# Altium PCB 0.PCB1.PcbDoc (part 4 of 12)
Units mm, origin at the board's own origin, x right, y up, seen from the top; angles counter-clockwise.
Board outline 77 x 72 mm, 6 copper layers (Top Layer, Layer 1, Layer 3, Layer 4, Layer 2, Bottom Layer), stack 1.538 mm thick; 570 components, 490 nets, 3331 pads, 1909 vias.
Unrouted connection lines stored in the file: 2.
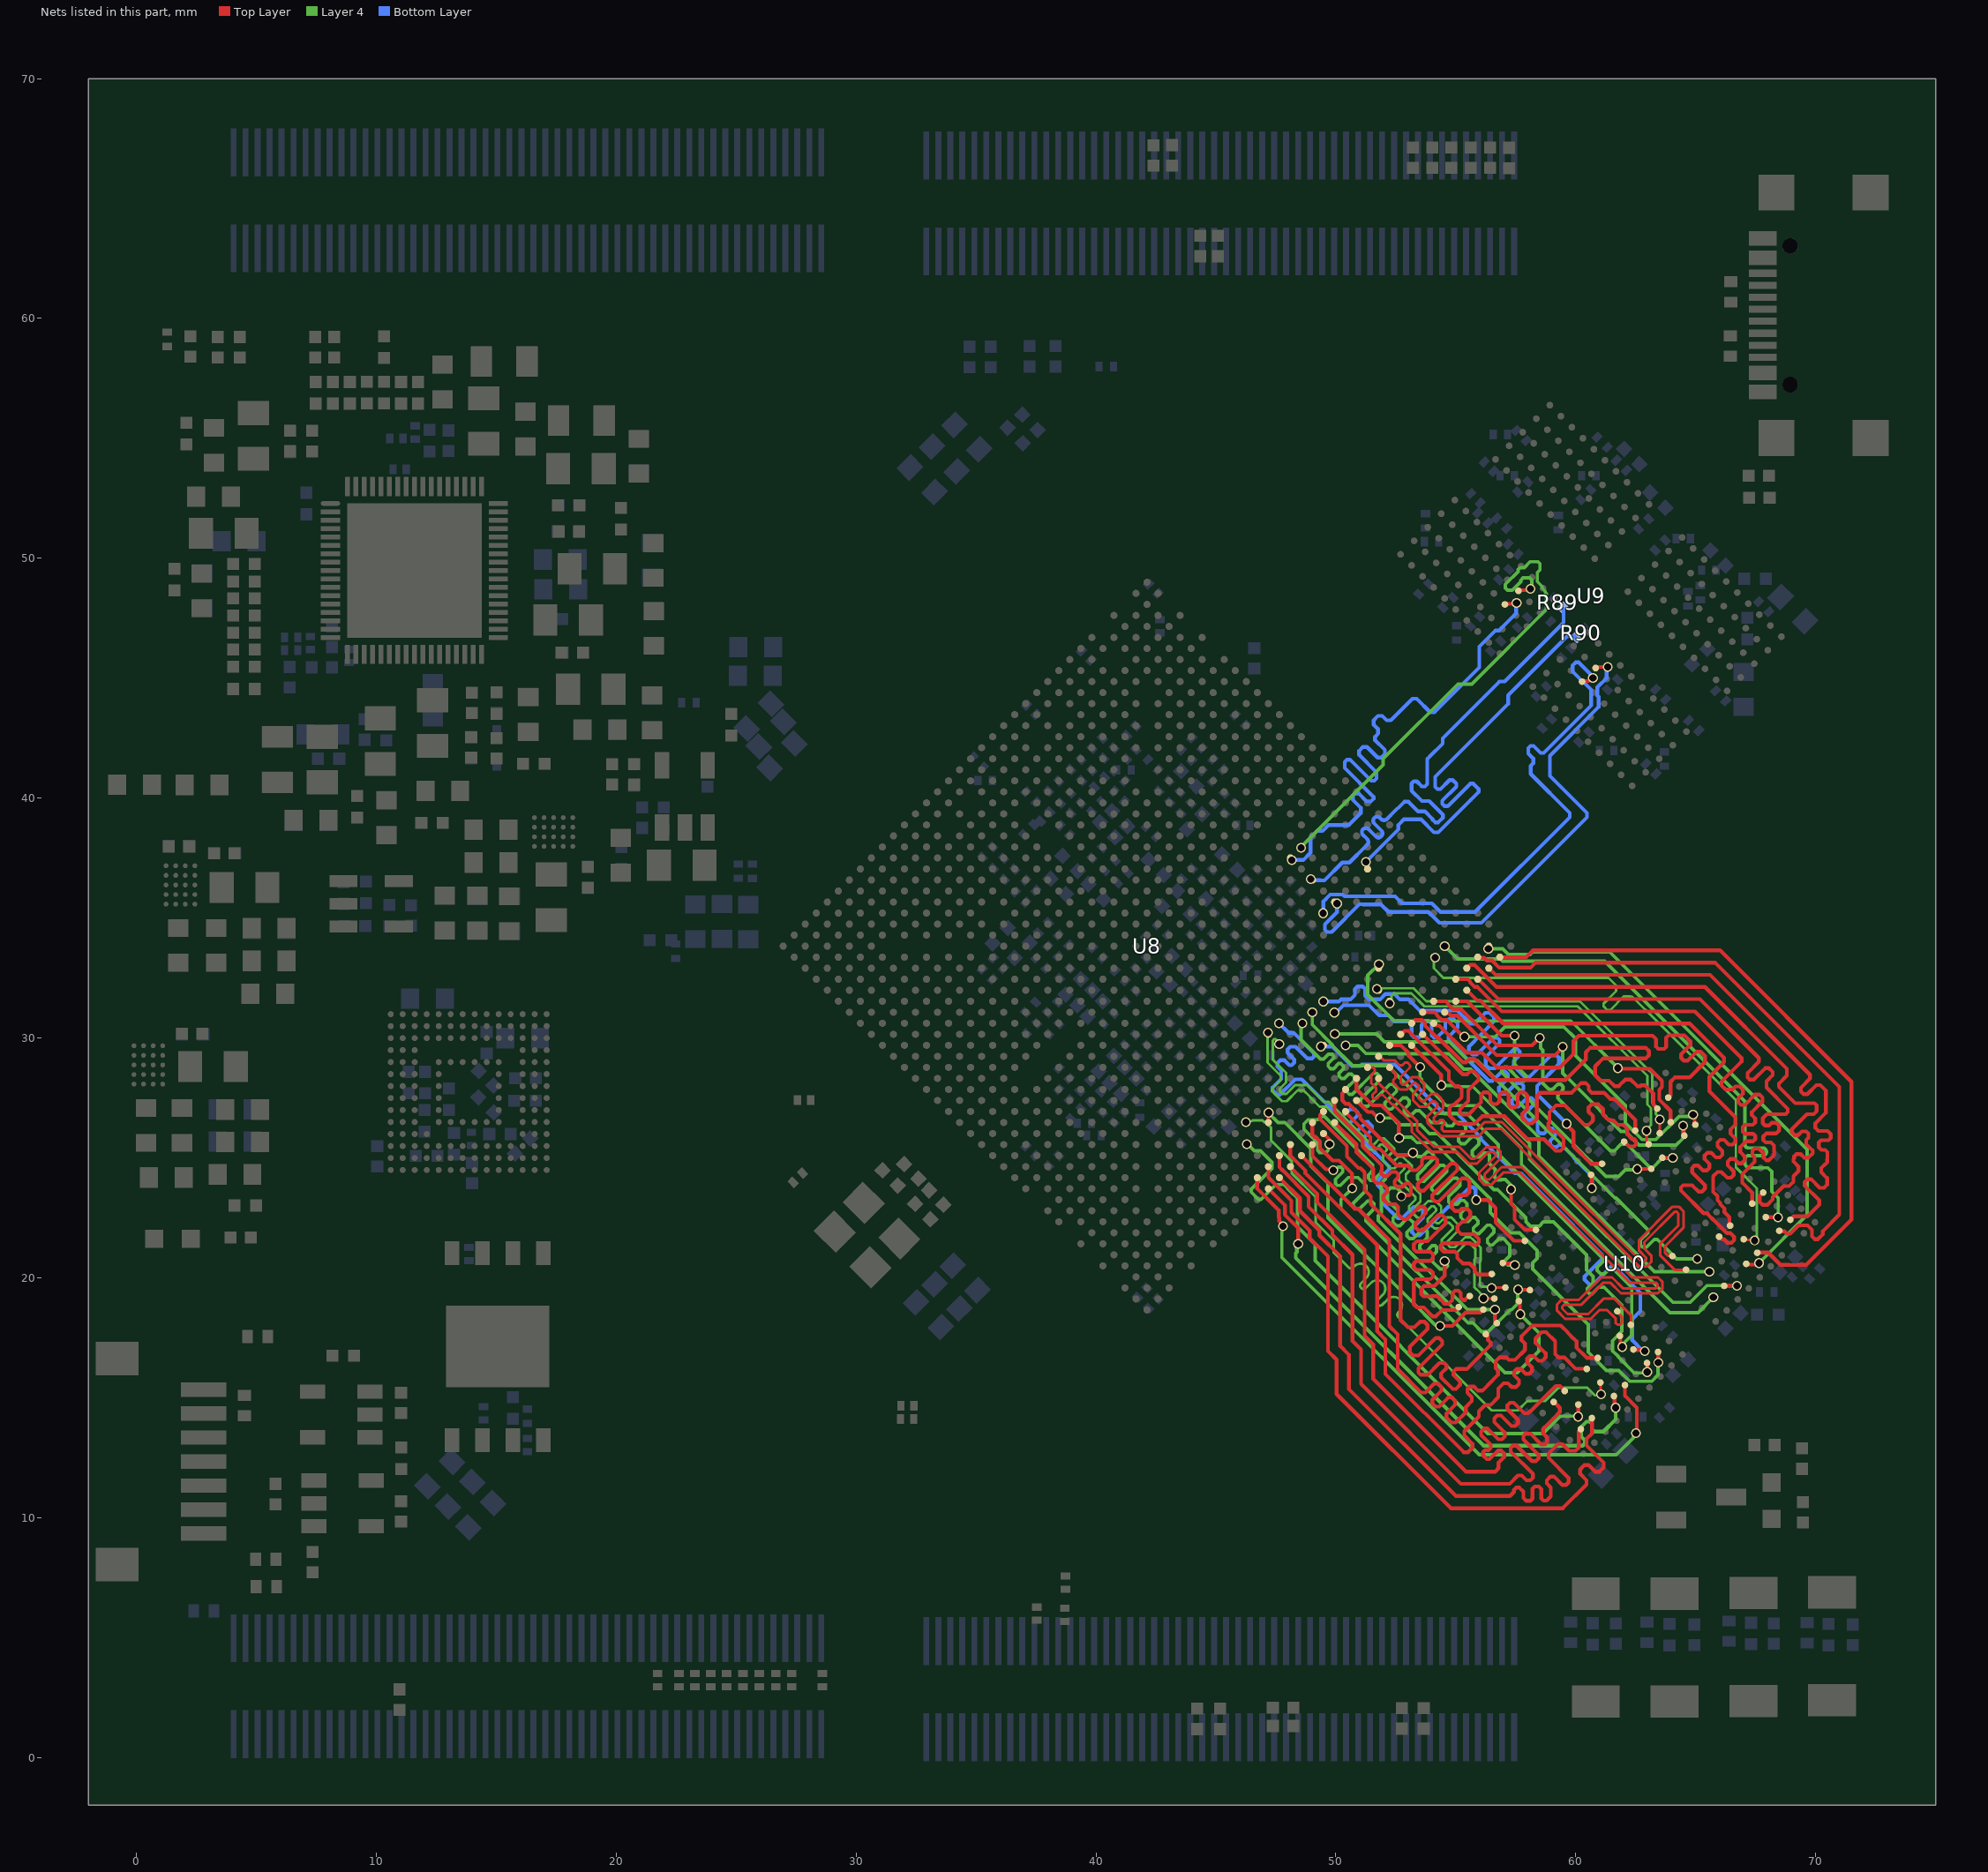
[diagram p8: the nets of this part, all layers, seen from the top]

## Via types
v1: diameter 0.41, hole 0.3, Top Layer to Bottom Layer, tented both sides, 1901 vias
v2: diameter 0.41, hole 0.3, Top Layer to Bottom Layer, 8 vias

## Nets (pads, with @x,y where several pads share a name; then routed paths per layer and width w, separated by ;. In a path a pad name is that pad's centre, name@x,y a point inside that pad or via, vN(x,y) a via of type N, cw(c..) or ccw(c..) an arc to the next point about the centre after c; other vN are vias at no path point) (continued)
DDR_CH0_LP4/4X_CKE1_A: R89.1 U8.N7 | length 22.1
  Bottom Layer w0.156: v1(48.963,36.627) 49.019,36.571 49.341,36.571 49.344,36.568 49.528,36.568 50.27,37.31 50.566,37.31 51.253,37.997 51.308,38.053 ccw(c51.19,38.171) 51.308,38.289 51.135,38.462 cw(c51.253,38.58) 51.135,38.698 cw(c51.253,38.58) 51.371,38.698 51.662,38.408 ccw(c51.781,38.526) 51.899,38.408 ccw(c51.781,38.526) 51.899,38.644 51.608,38.935 cw(c51.726,39.053) 51.608,39.171 cw(c51.726,39.053) 51.844,39.171 51.893,39.122 ccw(c52.011,39.241) 52.129,39.122 52.163,39.156 52.252,39.245 52.307,39.3 52.852,39.845 53.031,39.845 53.432,39.444 53.715,39.444 54.02,39.139 54.02,39.114 54.146,38.988 54.275,38.988 54.463,39.176 54.463,39.306 53.893,39.876 53.588,39.876 53.156,40.308 53.156,40.604 53.248,40.696 53.378,40.696 53.587,40.487 53.717,40.487 53.817,40.587 53.817,41.628 53.918,41.73 ; 53.915,41.734 54.453,42.272 54.453,42.488 56.824,44.858 57.039,44.858 59.497,47.316 R89.1@59.497,47.896
DDR_CH0_LP4/4X_CKE1_B: R90.1 U8.L4 | length 20.1
  Top Layer w0.156: v1(51.251,37.335) 51.295,37.291 51.295,37.071 U8.L4@51.323,37.043
  Bottom Layer w0.156: v1(51.251,37.335) 52.612,38.696 52.612,38.886 52.836,39.111 53.555,39.111 54.094,38.572 54.273,38.572 55.62,39.919 55.95,40.249 55.95,40.384 55.736,40.598 55.606,40.598 54.669,39.661 54.539,39.661 54.44,39.76 54.44,39.89 55.022,40.471 55.022,40.601 54.872,40.751 54.743,40.751 54.368,40.376 54.239,40.376 54.147,40.468 54.147,40.892 54.325,41.07 ; 54.326,41.068 57.183,43.924 57.183,44.284 59.643,46.744 59.936,46.744 R90.1@60.023,46.657
DDR_CH0_LP4/4X_CS0_A: U8.R6 U9.H4 | length 21
  Top Layer w0.156: U9.H4@57.615,48.64 57.639,48.664 57.978,48.664 58.034,48.72 v1(58.113,48.72)
  Layer 4 w0.142: v1(48.555,37.93) 48.555,37.965 51.978,41.388 51.978,41.646 55.089,44.757 55.673,44.757 58.784,47.868 58.784,48.523 58.734,48.573 58.734,48.623 58.603,48.754 58.603,48.822 58.4,49.026 58.4,49.399 58.512,49.512 58.512,49.772 58.429,49.855 58.104,49.855 57.86,49.611 57.685,49.611 57.601,49.528 57.601,49.444 57.073,48.916 57.073,48.756 57.165,48.664 57.355,48.664 57.706,49.015 57.706,49.073 57.81,49.177 58.084,49.177 58.17,49.091 58.17,49.066 58.165,49.06 58.165,48.793 v1@58.132,48.761
DDR_CH0_LP4/4X_CS0_B: U8.L7 U9.R4 | length 23.3
  Top Layer w0.156: U9.R4@60.833,45.423 60.856,45.446 60.937,45.446 60.955,45.464 v1(61.335,45.464)
  Bottom Layer w0.156: v1(50.052,35.6) 50.052,35.242 49.547,34.737 49.547,34.509 49.641,34.415 49.832,34.415 50.985,35.568 51.137,35.568 ; 51.137,35.559 51.893,35.559 52.203,35.249 53.86,35.249 54.141,34.968 ; 54.147,34.974 54.32,34.8 56.069,34.8 60.47,39.201 60.47,39.38 58.922,40.928 58.922,41.762 60.953,43.793 60.953,44.223 60.905,44.271 60.905,44.617 61.292,45.004 61.292,45.421 v1(61.335,45.464)
DDR_CH0_LP4/4X_CS1_A: U8.R7 U9.H3 | length 24.2
  Top Layer w0.156: U9.H3@57.05,48.074 57.073,48.098 57.499,48.098 v1(57.536,48.135)
  Bottom Layer w0.156: v1(48.172,37.417) 48.64,37.417 48.949,37.726 48.949,38.361 49.219,38.631 49.448,38.631 49.693,38.876 50.544,38.876 51.04,39.373 51.04,39.599 50.71,39.929 50.71,40.102 50.809,40.201 50.939,40.201 51.284,39.855 51.457,39.855 51.574,39.972 51.574,40.049 50.37,41.252 50.37,41.504 50.465,41.599 50.595,41.599 51.475,40.719 51.5,40.719 51.604,40.719 51.696,40.811 51.696,41.077 50.975,41.799 50.975,41.976 51.127,42.129 51.302,42.129 51.742,41.689 51.902,41.689 52.049,41.837 52.049,42.004 51.635,42.418 51.635,42.548 51.757,42.67 51.757,42.708 ; 51.759,42.703 51.759,42.883 51.579,43.062 51.579,43.242 51.759,43.422 51.938,43.422 52.118,43.242 52.298,43.242 53.196,44.14 53.375,44.14 53.932,43.583 54.112,43.583 55.979,45.451 55.979,46.31 56.658,46.989 56.809,46.989 57.515,47.695 57.515,48.114 v1(57.536,48.135)
DDR_CH0_LP4/4X_CS1_B: U8.L8 U9.R3 | length 23.8
  Top Layer w0.156: U9.R3@60.267,44.857 60.291,44.881 60.528,44.881 60.649,45.001 v1(60.718,45.001)
  Bottom Layer w0.156: v1(49.475,35.196) 49.48,35.201 49.48,35.688 49.768,35.976 50.285,35.976 50.36,35.9 52.471,35.9 52.763,35.609 54.004,35.609 54.363,35.249 55.8,35.249 59.751,39.201 59.751,39.38 58.125,41.006 58.125,41.34 58.231,41.446 58.231,41.649 58.026,41.854 58.026,42.08 58.117,42.172 58.247,42.172 58.537,41.881 58.667,41.881 60.649,43.864 60.649,44.509 59.87,45.289 59.87,45.527 60.005,45.663 60.117,45.663 60.708,45.073 v1@60.708,45.029
DDR_CH1_A0_C: U8.G12 U10.H2 | length 24.6
  Top Layer w0.156: v1@59.639,26.363 59.908,26.094 59.908,25.483 60.639,24.752 U10.H2@61.099,24.752
  Bottom Layer w0.156: v1@49.575,31.523 49.58,31.518 50.129,31.518 50.216,31.606 50.611,31.606 50.794,31.789 50.794,32.037 50.901,32.144 51.117,32.144 51.226,32.035 51.226,31.758 51.378,31.606 51.846,31.606 52.074,31.833 52.256,31.833 52.44,31.833 52.668,31.606 53.034,31.606 53.504,31.136 55.067,31.136 55.606,30.597 55.785,30.597 56.234,31.046 56.414,31.046 56.594,30.866 56.594,30.687 56.055,30.148 56.055,30.143 55.549,29.637 55.549,29.449 55.701,29.297 55.877,29.297 56.58,30 56.736,30 56.828,29.909 56.828,29.779 56.245,29.196 56.245,28.88 56.397,28.728 56.624,28.728 57.434,29.538 57.563,29.538 57.667,29.434 57.667,29.279 57.413,29.025 57.413,28.852 ; 57.402,28.841 57.863,28.38 58.076,28.38 58.965,29.269 59.209,29.269 59.301,29.177 59.301,28.904 58.39,27.993 58.39,27.654 v1(59.62,26.424)
  other v1: 49.48,31.518
DDR_CH1_A0_D: U8.H15 U10.R2 | length 27.7
  Top Layer w0.156: v1(55.849,23.239) 56.331,23.239 56.66,22.91 56.66,22.301 56.729,22.232 57.427,21.535 U10.R2@57.882,21.535
  Bottom Layer w0.156: v1(47.635,30.605) 48.026,30.215 48.235,30.215 49.092,29.358 49.092,29.228 49.009,29.144 48.81,29.144 48.323,29.632 48.099,29.632 47.99,29.523 47.99,29.381 48.269,29.101 48.269,28.972 48.158,28.86 48.066,28.86 47.858,29.068 47.69,29.068 47.562,28.94 47.562,28.805 47.726,28.641 47.726,28.293 47.369,27.937 47.369,27.807 47.54,27.636 47.67,27.636 48.308,28.273 48.582,28.273 48.879,27.976 ; 48.899,27.956 48.879,27.976 ; v1(55.849,23.239) 55.827,23.261 55.827,23.68 55.735,23.772 55.606,23.772 54.798,22.964 54.693,22.964 53.488,21.759 53.308,21.759 53.181,21.886 53.181,22.066 53.639,22.523 53.639,22.868 53.547,22.959 53.249,22.959 52.768,22.479 52.588,22.479 52.014,23.053 52.014,23.592 51.744,23.862 51.744,24.041 52.218,24.515 52.218,24.645 51.156,25.707 51.156,25.836 51.516,26.195 51.516,26.325 51.348,26.493 51.269,26.493 50.859,26.083 50.781,26.083 50.567,26.296 50.567,26.426 50.908,26.767 50.908,26.896 50.771,27.034 50.611,27.034 50.285,26.707 50.156,26.707 48.887,27.976 48.879,27.976
DDR_CH1_A1_C: U8.F12 U10.J2 | length 23
  Top Layer w0.156: U10.J2@60.639,24.293 60.663,24.269 60.663,23.744 v1(60.67,23.737)
  Bottom Layer w0.156: v1@49.981,31.087 50.048,31.087 50.318,31.358 51.387,31.358 51.81,30.935 52.191,30.935 52.44,30.687 53.022,30.687 53.158,30.55 53.158,30.126 53.255,30.028 53.484,30.028 53.576,30.12 53.576,30.544 53.713,30.681 ; 53.713,30.687 53.9,30.687 53.997,30.589 53.997,30.105 54.089,30.013 54.218,30.013 54.564,30.358 54.564,30.632 54.723,30.792 54.903,30.792 55.083,30.612 55.083,30.433 54.708,30.058 54.708,29.878 56.377,28.209 56.535,28.209 56.931,28.606 57.061,28.606 57.175,28.492 57.175,28.311 57.006,28.142 ; 57.006,28.141 56.804,27.94 56.804,27.782 56.916,27.67 57.073,27.67 ; 57.074,27.671 57.088,27.671 57.519,28.102 57.727,28.102 57.821,28.008 57.821,27.879 57.343,27.401 57.343,27.243 57.455,27.132 57.612,27.132 57.972,27.491 58.157,27.491 58.249,27.399 58.249,27.215 57.876,26.842 57.876,26.684 57.988,26.573 58.146,26.573 58.188,26.615 58.318,26.615 58.41,26.524 58.41,26.126 58.521,26.014 58.679,26.014 58.881,26.215 59.038,26.215 59.15,26.104 59.15,25.946 ; 59.145,25.926 58.943,25.725 58.943,25.567 59.055,25.455 59.213,25.455 59.291,25.534 59.421,25.534 59.62,25.334 59.926,25.028 59.926,25.002 60.679,24.25 60.679,23.745 v1(60.67,23.737)
  other v1: 49.94,31.059
DDR_CH1_A1_D: U8.G14 U10.P2 | length 24.9
  Top Layer w0.156: v1(57.309,23.679) 57.309,23.082 57.454,22.938 57.454,22.694 57.454,22.427 57.886,21.994 U10.P2@58.341,21.994
  Layer 4 w0.142: v1(48.608,30.609) 48.559,30.559 48.559,29.919 49.364,29.114 49.484,29.114 49.689,29.32 49.839,29.32 49.923,29.236 49.923,29.17 49.684,28.931 49.684,28.814 49.781,28.718 49.908,28.718 50.119,28.928 50.21,28.928 50.314,28.824 50.314,28.707 50.134,28.527 50.134,28.408 50.234,28.308 50.352,28.308 50.537,28.493 50.655,28.493 50.771,28.377 50.771,28.225 50.467,27.92 50.467,27.745 50.568,27.643 50.688,27.643 51.561,28.517 51.721,28.517 51.853,28.385 51.853,28.258 51.036,27.44 51.036,27.252 51.145,27.143 51.34,27.143 52.255,28.058 52.373,28.058 52.495,27.937 52.533,27.898 52.533,27.78 52.052,27.299 52.052,27.141 52.164,27.029 52.321,27.029 52.792,27.5 52.95,27.5 53.062,27.388 53.062,27.231 52.86,27.029 52.86,26.872 52.972,26.76 53.129,26.76 53.331,26.961 53.489,26.961 53.988,26.462 54.527,26.462 54.661,26.328 54.84,26.328 54.975,26.462 55.245,26.462 55.407,26.301 55.407,26.143 55.115,25.852 55.115,25.694 55.227,25.582 55.385,25.582 55.676,25.873 55.834,25.873 55.962,25.745 55.962,25.565 55.693,25.296 55.693,25.116 55.783,25.026 55.986,25.026 56.154,25.194 56.333,25.194 56.411,25.116 56.411,24.757 56.644,24.525 56.644,24.367 56.622,24.345 56.622,24.188 56.733,24.076 56.891,24.076 56.913,24.098 57.071,24.098 57.309,23.859 v1(57.309,23.679)
DDR_CH1_A2_C: U8.E13 U10.H9 | length 20.1
  Top Layer w0.156: U10.H9@65.059,20.792 65.062,20.792 v1(65.072,20.783)
  Layer 4 w0.142: v1(49.96,30.162) 49.962,30.16 51.711,30.16 52.031,29.84 54.741,29.84 55.531,29.05 55.905,29.05 61.638,23.317 61.678,23.317 63.002,21.993 63.002,21.875 62.707,21.58 62.707,21.359 62.791,21.275 62.961,21.275 63.273,21.588 63.403,21.588 64.208,20.783 v1(65.072,20.783)
DDR_CH1_A2_D: U8.G13 U10.R9 | length 22.5
  Top Layer w0.156: U10.R9@61.842,17.575 61.865,17.551 61.865,17.276 61.945,17.197 v1(61.945,17.117)
  Layer 4 w0.142: v1@49.016,31.037 49.023,31.03 49.023,30.551 49.862,29.712 49.862,29.676 50.701,28.837 52.152,28.837 54.146,26.843 55.47,26.843 56.771,25.543 56.771,25.162 58.109,23.823 61.143,20.79 61.143,20.672 60.899,20.428 60.899,20.31 61.046,20.163 61.196,20.163 61.423,20.391 61.542,20.391 62.338,19.594 62.338,17.604 v1@61.925,17.19
  other v1: 49.023,31.063
DDR_CH1_A3_C: U8.D13 U10.H10 | length 19.6
  Top Layer w0.156: v1(65.572,20.247) 65.597,20.247 U10.H10@65.628,20.216
  Layer 4 w0.142: v1(50.405,29.688) 50.918,29.688 51.258,29.348 52.192,29.348 52.204,29.337 54.704,29.337 55.341,28.7 55.62,28.7 58.47,25.85 58.47,25.066 63.289,20.247 v1(65.572,20.247)
DDR_CH1_A3_D: U8.E14 U10.R10 | length 23.2
  Top Layer w0.156: U10.R10@62.407,17.009 62.431,16.986 62.838,16.986 v1(62.885,16.94)
  Bottom Layer w0.156: v1(49.383,29.643) 49.385,29.641 49.853,29.641 50.664,28.83 51.025,28.83 51.085,28.891 52.463,28.891 54.522,26.832 55.066,26.832 56.055,25.843 56.055,25.765 57.467,24.353 57.719,24.353 58.179,23.893 58.749,23.323 61.099,20.973 61.099,20.783 60.369,20.052 60.369,19.923 60.588,19.703 60.718,19.703 61.478,20.464 61.608,20.464 62.7,19.371 62.7,18.617 62.359,18.276 62.359,17.39 62.807,16.942 v1@62.826,16.942
DDR_CH1_A4_C: U8.A10 U10.H11 | length 19.3
  Top Layer w0.156: U8.A10@53.161,29.689 53.704,29.146 54.391,28.46 54.391,28.03 v1(54.401,28.02) ; U10.H11@66.263,19.683 66.288,19.657 v1(66.72,19.657)
  Layer 4 w0.142: v1(54.401,28.02) 54.907,28.02 54.961,27.965 55.718,27.965 58.084,25.599 58.084,24.941 58.656,24.369 64.05,18.974 64.772,18.974 65.469,19.671 v1@66.655,19.671
DDR_CH1_A4_D: U8.A15 U10.R11 | length 20.4
  Top Layer w0.156: U8.A15@50.863,27.391 51.341,26.913 51.518,26.913 51.77,26.661 v1(51.849,26.661) ; v1(62.981,16.069) 62.986,16.073 U10.R11@62.986,16.381
  Layer 4 w0.142: v1(51.849,26.661) 52.352,26.661 52.64,26.373 53.538,26.373 53.897,26.014 54.256,26.014 56.591,23.679 56.747,23.679 57.925,22.501 57.925,22.393 57.938,22.38 57.938,22.332 58.118,22.153 58.477,22.153 58.656,22.332 59.067,22.332 60.453,20.946 60.453,20.327 60.733,20.046 60.733,19.795 60.489,19.551 60.489,19.419 60.573,19.336 60.691,19.336 60.954,19.599 61.175,19.599 ; 61.178,19.602 61.925,18.854 61.925,17.77 61.53,17.375 61.53,16.946 61.546,16.946 61.773,16.719 61.773,16.701 62.444,16.03 62.943,16.03 v1(62.981,16.069)
DDR_CH1_A5_C: U8.B11 U10.J11 | length 19.2
  Top Layer w0.156: U8.B11@52.242,29.689 52.709,29.689 53.029,29.369 53.029,29.264 53.425,28.867 v1(53.512,28.781) ; U10.J11@65.731,19.201 65.74,19.19 v1(65.74,19.182)
  Layer 4 w0.142: v1(53.512,28.781) 53.507,28.776 53.507,28.339 53.579,28.268 53.579,28.204 54.606,27.176 55.968,27.176 57.74,25.404 57.74,24.725 58.376,24.09 63.923,18.542 65.099,18.542 v1(65.74,19.182)
DDR_CH1_A5_D: U8.B14 U10.P11 | length 21.3
  Top Layer w0.156: U8.B14@50.865,28.312 50.863,28.309 50.863,27.858 51.54,27.182 51.74,27.182 51.901,27.182 52.628,26.454 52.628,25.845 v1(52.646,25.827) ; U10.P11@63.433,16.903 63.438,16.898 63.438,16.462 v1(63.443,16.457)
  Layer 4 w0.142: v1(52.646,25.827) 52.677,25.857 53.156,25.857 53.38,25.633 54.098,25.633 56.447,23.284 56.447,22.714 56.724,22.437 57.296,21.865 57.651,21.865 58.387,21.129 58.387,20.806 58.207,20.626 58.207,20.361 60.524,18.045 60.524,16.897 61.285,16.136 61.8,16.136 62.255,15.681 63.168,15.681 63.438,15.951 v1@63.438,16.495
DDR_CH1_CLKN_C: U8.A12 U10.J9 | length 23.5
  Top Layer w0.112: U8.A12@52.244,28.771 52.244,28.758 52.498,28.504 52.498,28.346 52.389,28.237 52.389,28.132 52.675,27.846 52.978,27.846 53.255,28.123 53.337,28.123 53.456,28.004 53.456,27.912 53.282,27.739 53.282,27.724 53.225,27.666 53.225,27.396 53.496,27.125 53.771,27.125 53.995,27.349 54.132,27.349 54.24,27.24 54.24,27.147 53.812,26.719 53.812,26.518 ; 53.822,26.477 53.822,26.46 54.387,25.895 55.95,25.895 56.273,26.218 56.883,26.218 58.706,24.395 58.715,24.395 62.645,20.465 62.959,20.465 63.149,20.656 63.149,20.925 62.861,21.213 62.861,21.486 64.122,22.748 64.215,22.748 64.28,22.682 64.28,22.173 63.517,21.41 63.517,20.942 64.126,20.333 U10.J9@64.595,20.333
DDR_CH1_CLKN_D: U8.A13 U10.P9 | length 27.2
  Top Layer w0.112: U8.A13@51.785,28.312 51.797,28.3 51.797,28.099 52.454,27.442 52.479,27.442 53.385,26.535 53.385,26.17 54.096,25.459 55.15,25.459 55.645,24.964 55.785,24.964 56.263,25.442 56.683,25.442 56.874,25.251 56.874,24.982 56.195,24.304 56.195,24.182 56.282,24.096 56.404,24.096 56.915,24.607 57.748,24.607 58.321,24.035 60.122,22.233 62.346,20.01 63.433,20.01 63.624,19.82 63.624,19.55 63.421,19.348 61.886,19.348 61.433,19.8 61.161,19.8 60.227,18.867 59.505,18.867 59.439,18.801 59.439,18.709 59.659,18.489 60.525,18.489 61.158,19.121 61.621,19.121 62.301,18.441 U10.P9@62.301,18.035
DDR_CH1_CLKP_C: U8.B12 U10.J8 | length 24.7
  Top Layer w0.112: U8.B12@51.785,29.231 51.832,29.231 U8.B12@51.828,29.231 ; U8.B12@51.838,29.228 51.838,29.224 51.995,29.067 52.443,29.067 52.651,28.859 52.774,28.859 52.892,28.976 52.984,28.976 53.099,28.862 53.099,28.769 52.711,28.381 52.711,28.125 52.776,28.059 52.869,28.059 53.167,28.357 53.423,28.357 53.682,28.098 53.682,27.811 53.446,27.575 53.446,27.488 53.581,27.353 53.674,27.353 53.984,27.663 54.203,27.663 54.398,27.468 54.398,27.445 54.48,27.364 54.48,27.265 54.477,27.262 54.477,27.064 54.084,26.67 54.084,26.5 54.139,26.445 54.231,26.445 54.373,26.587 54.383,26.587 ; 54.383,26.584 54.447,26.584 54.524,26.507 54.524,26.414 54.428,26.319 54.428,26.174 54.493,26.109 55.823,26.109 56.197,26.482 56.938,26.482 58.866,24.554 58.866,24.546 62.733,20.678 62.87,20.678 62.936,20.744 62.936,20.836 62.647,21.125 62.647,21.575 64.034,22.961 64.303,22.961 64.494,22.771 64.494,22.085 63.73,21.321 63.73,21.03 63.842,20.919 64.03,20.919 U10.J8@64.039,20.909
DDR_CH1_CLKP_D: U8.B13 U10.P8 | length 28.8
  Top Layer w0.112: U8.B13@51.356,28.822 U8.B13@51.403,28.774 ; U8.B13@51.368,28.781 51.375,28.774 U8.B13@51.403,28.774 ; 52.372,27.224 52.351,27.224 51.952,27.624 51.859,27.624 51.691,27.456 51.599,27.456 51.524,27.531 51.524,27.623 51.686,27.785 51.686,27.908 51.485,28.109 51.485,28.456 51.627,28.598 51.627,28.691 51.544,28.774 U8.B13@51.403,28.774 ; 52.39,27.228 53.172,26.447 53.172,26.082 54.008,25.245 55.062,25.245 55.557,24.75 55.873,24.75 56.351,25.228 56.595,25.228 56.66,25.163 56.66,25.07 55.982,24.392 55.982,24.094 56.193,23.882 56.492,23.882 57.004,24.394 57.66,24.394 59.909,22.145 62.257,19.797 63.345,19.797 63.41,19.731 63.41,19.639 63.333,19.561 61.974,19.561 61.521,20.014 61.072,20.014 60.139,19.08 59.416,19.08 59.226,18.89 59.226,18.62 59.571,18.275 60.614,18.275 60.982,18.644 61.32,18.644 61.67,18.293 61.67,18.107 61.736,18.042 61.856,18.042 61.922,18.107 61.922,18.368 61.759,18.531 U10.P8@61.759,18.606
DDR_CH1_DM0_C: U8.F8 U10.C3 | length 17.1
  Top Layer w0.156: v1@61.784,28.714 63,28.714 63.092,28.714 63.601,28.205 63.601,27.947 63.491,27.837 63.491,27.421 63.953,26.958 U10.C3@63.953,26.501
  Layer 4 w0.142: v1(51.8,33.076) 51.334,32.611 51.334,31.808 52.434,30.709 55.267,30.709 59.799,30.709 v1@61.746,28.762
  other v1: 61.757,28.741
DDR_CH1_DM0_D: U8.D20 U10.Y3 | length 14.4
  Top Layer w0.156: U8.D20@47.186,26.471 47.192,26.478 47.192,26.877 v1(47.198,26.883) ; v1(54.34,17.994) 54.861,17.994 55.418,18.55 56.028,18.55 U10.Y3@56.149,18.671
  Layer 4 w0.142: v1(47.198,26.883) 47.198,26.861 47.596,26.463 47.88,26.463 48.958,25.385 48.958,24.667 49.676,23.949 49.676,22.871 ; 49.677,22.871 49.677,22.499 53.231,18.945 54.131,18.045 ; v1@54.287,18.045 v1@54.295,18.052
DDR_CH1_DM1_C: U8.D4 U10.C10 | length 23.1
  Top Layer w0.156: U10.C10@67.939,22.528 67.946,22.521 68.425,22.521 v1(68.429,22.516)
  Layer 4 w0.142: v1(54.541,33.83) 55.083,33.288 56.86,33.288 56.95,33.198 61.206,33.198 67.05,27.355 67.05,25.641 67.05,25.57 ccw(c67.21,25.57) 67.21,25.409 67.793,25.409 cw(c67.793,25.249) 67.793,25.089 67.21,25.089 ccw(c67.21,24.929) 67.05,24.929 67.05,24.715 67.131,24.633 67.162,24.603 ; 67.173,24.614 67.203,24.585 68.015,24.585 68.176,24.425 68.176,23.59 68.445,23.32 68.445,22.589 v1@68.499,22.535
DDR_CH1_DM1_D: U8.D22 U10.Y10 | length 23.2
  Top Layer w0.156: v1(60.107,14.212) 60.108,14.213 60.108,14.71 U10.Y10@60.109,14.711
  Layer 4 w0.142: v1(46.286,25.57) 46.324,25.57 46.599,25.295 46.858,25.295 47.34,24.814 47.34,24.557 46.47,23.688 46.47,23.57 46.769,23.271 46.887,23.271 47.5,23.884 47.827,23.884 48.135,23.577 48.399,23.312 48.399,22.126 49.137,21.388 49.137,20.705 56.338,13.504 58.629,13.504 59.351,14.226 60.093,14.226 v1(60.107,14.212)
DDR_CH1_DQ0_C: U8.A8 U10.B2 | length 18.1
  Top Layer w0.156: U8.A8@54.083,30.61 54.182,30.511 54.313,30.511 55.438,29.386 56.093,29.386 56.717,28.762 59.339,28.762 59.914,29.337 59.914,29.876 60.128,30.09 63.201,30.09 63.352,29.939 63.352,29.632 63.444,29.541 63.69,29.541 63.769,29.619 63.769,30.005 63.873,30.11 64.515,30.11 ; U10.B2@63.863,27.52 63.955,27.612 63.955,28.17 64.134,28.349 64.745,28.349 65.392,28.996 65.392,29.247 65.206,29.433 65.048,29.433 64.667,29.052 64.509,29.052 64.398,29.164 64.398,29.321 64.779,29.702 64.779,29.86 64.549,30.09
DDR_CH1_DQ0_D: U8.A17 U10.AA2 | length 18.8